# Altium PCB PCB1.PcbDoc (part 1 of 2) (continued)
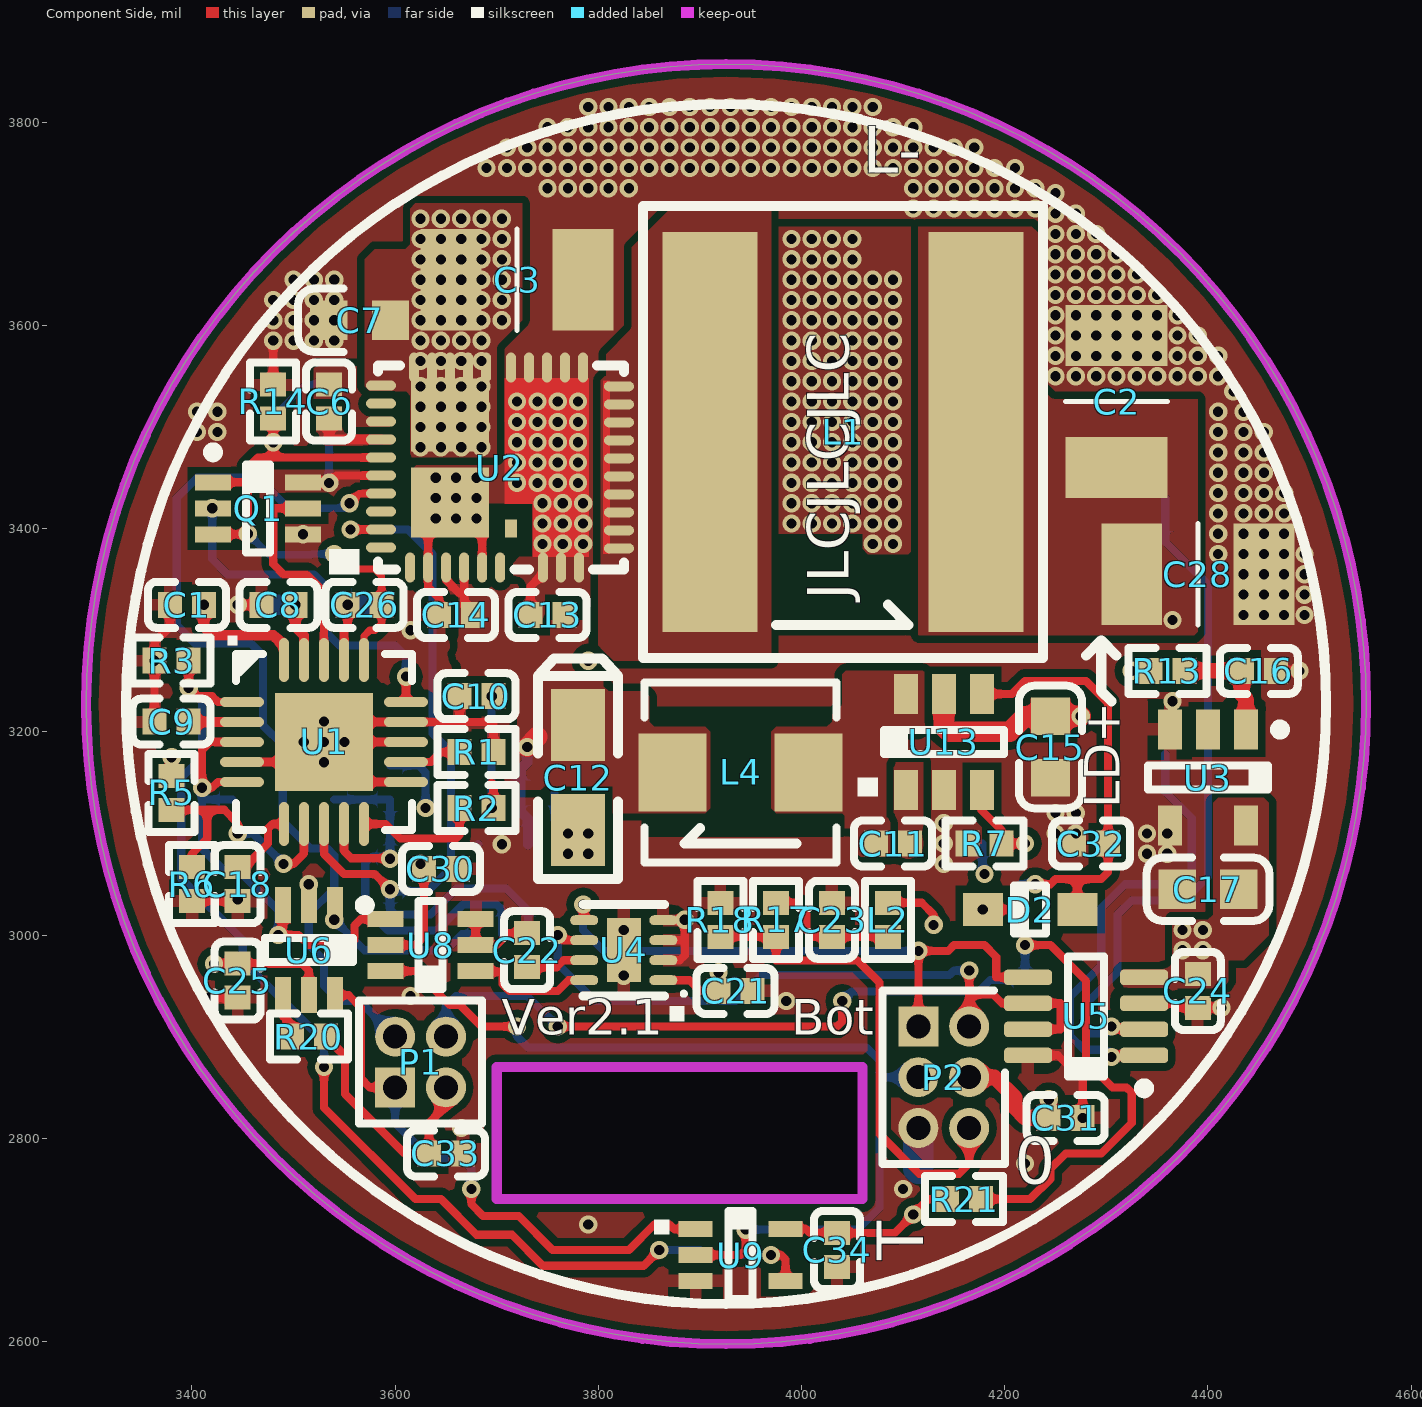
[diagram p0: Component Side view]
## Design rules (kind name [scope] priority, off if disabled: settings)
Clearance [All] p1: gap=7.6
DiffPairsRouting [All] p1: maxlimit=9 minlimit=7 mostfreqgap=8 toplayer_minwidth=7 toplayer_maxwidth=12 toplayer_prefwidth=10 bottomlayer_minwidth=7 bottomlayer_maxwidth=12 bottomlayer_prefwidth=10 maxuncoupledlength=500
PlaneClearance [All] p1: clearance=15
PlaneConnect [All] p1: planeconnectstyle=Direct reliefexpansion=20 reliefentries=4 reliefconductorwidth=10 reliefairgap=10
PolygonConnect PolygonConnect_2 [(InNet('GND') AND InComponent('C12'))] p1: connectstyle=NoConnect reliefconductorwidth=10 reliefentries=4 polygonreliefangle="90 Angle" airgapwidth=10
PolygonConnect PolygonConnect_1 [IsVia] p2: connectstyle=Direct reliefconductorwidth=10 reliefentries=4 polygonreliefangle="90 Angle" airgapwidth=10
PolygonConnect [All] p3: connectstyle=Direct reliefconductorwidth=12 reliefentries=4 polygonreliefangle="90 Angle" airgapwidth=10
RoomDefinition U_MonitorAndMCUConn [InComponentClass('U_MonitorAndMCUConn')] p1: confinementstyle=ConfineIn formatcopy=TRUE lockcomponents=FALSE outline 0,0 2000,0 2000,1000 0,1000
RoomDefinition U_ConstController [InComponentClass('U_ConstController')] p2: confinementstyle=ConfineIn formatcopy=TRUE lockcomponents=FALSE outline 0,0 2000,0 2000,1000 0,1000
RoomDefinition U_PowerAndInput [InComponentClass('U_PowerAndInput')] p3: confinementstyle=ConfineIn formatcopy=TRUE lockcomponents=FALSE outline 7065,1040 7560,1040 7560,2130 7065,2130
RoutingVias [All] p1: holewidth=28 width=50 viastyle="Through Hole" minholewidth=28 minwidth=50 maxholewidth=28 maxwidth=50
SolderMaskExpansion [All] p1: expansion=4
Width [All] p1: maxlimit=300 minlimit=7 preferedwidth=10
27 further rules are at their usual default settings.

## Classes and differential pairs
component class U_MonitorAndMCUConn: C23 C25 C31 C33 C34 L2 P1 P2 R17 R18 R20 U6 U9
component class U_ConstController: C1 C8 C9 C10 C18 C21 C22 C26 C27 C29 C30 D1 Q1 R1 R2 R3 R5 R6 R9 R10 R11 R15 U1 U4 U7 U8
component class U_PowerAndInput: C2 C3 C4 C5 C6 C7 C11 C12 C13 C14 C15 C16 C17 C19 C20 C24 C28 C32 D2 L1 L4 R4 R7 R8 R12 R13 R14 R16 R19 R21 U2 U3 U5 U13
differential pair VSEN: +VSEN_P -VSEN_N

## Components (designator, comment, footprint, x,y, rotation, side; value= is the part's Value field where it differs from the comment)
C1 "1.0uF (105) 10% 25V" 0402_C 3395,3325 r0 top
C2 "CC1210KKX5RBB476" 1210C 4310,3525 r270 top
C3 "CC1210KKX5RBB476" 1210C 3720,3645 r180 top
C4 "TCJU157M035" CAPMP7362X41N 3735,3520 r270 bottom locked
C5 "TCJU157M035" CAPMP7362X41N 4060,3545 r0 bottom
C6 "220nF (224) 10% 16V" 0402_C 3535,3525 r90 top
C7 "330nF (334) 10% 25V" 0603_C 3565,3605 r0 top
C8 "10uF (106) 20% 10V" 0402_C 3485,3325 r0 top
C9 "4.7uF (475) 20% 10V" 0402_C 3380,3210 r0 top
C10 "2.2nF (222) 5% 50V C0G" 0402_C 3680,3235 r180 top
C11 "100nF (104) 10% 16V" 0402_C 4090,3090 r0 top
C12 "10uF (106) ±10% 16V" CASE-A_3216 3780,3155 r90 top
C13 "100nF (104) 10% 16V" 0402_C 3750,3315 r0 top
C14 "100nF (104) 10% 16V" 0402_C 3660,3315 r0 top
C15 "1uF (105) 10% 50V" 0603_C 4245,3185 r90 top
C16 "1.0uF (105) 10% 25V" 0402_C 4450,3260 r180 top
C17 "10uF (106) 10% 10V" 0603_C 4400,3045 r0 top
C18 "1nF (102) 10% 50V" 0402_C 3445,3050 r90 top
C19 "0805 X5R" 0805C 4050,3705 r180 bottom
C20 "0805 X5R" 0805C 3915,3705 r180 bottom
C21 "100nF (104) 10% 16V" 0402_C 3935,2945 r180 top
C22 "10nF (103) 10% 50V" 0402_C 3730,2985 r270 top
C23 "1.0uF (105) 10% 25V" 0402_C 4030,3015 r270 top
C24 "100nF (104) 10% 16V" 0402_C 4390,2945 r90 top
C25 "100nF (104) 10% 16V" 0402_C 3445,2955 r90 top
C26 "100nF (104) 10% 16V" 0402_C 3570,3325 r180 top
C27 "100nF (104) 10% 16V" 0402_C 3740,3140 r0 bottom
C28 "CL32A107MPVNNNE" 1210C 4390,3355 r180 top
C29 "100nF (104) 10% 16V" 0402_C 3550,3455 r0 bottom
C30 "100nF (104) 10% 16V" 0402_C 3645,3065 r180 top
C31 "100nF (104) 10% 16V" 0402_C 4260,2820 r180 top
C32 "220nF (224) 10% 16V" 0402_C 4285,3090 r180 top
C33 "1.0uF (105) 10% 25V" 0402_C 3650,2785 r180 top
C34 "100nF (104) 10% 16V" 0402_C 4035,2690 r90 top
D1 "1N5819WS" SOD-323 3529.86,3325 r180 bottom
D2 "1N4148WS T4" SOD-323 4225,3025 r0 top
L1 "XAL1010-221MEB" XAL1010-XXXME 3910,3495 r0 top
L2 "500R 5%" 0402_L 4085,3015 r270 top
L4 "0420CDMCCDS-4R7MC" 0420CDMCCDS-***MC 3940,3160 r180 top
P1 "模拟插头" MHDR2X2 3600,2850 r0 top locked
P2 "数字插头" MHDR2X3 4115,2910 r270 top locked
Q1 "BSS138PS" SC70-6 3465,3420 r0 top
R1 "40.2KΩ (4022) ±1%" 0402_R 3680,3180 r180 top
R2 "31.6KΩ (3163) ±0.1%" 0402_R 3680,3125 r0 top
R3 "10KΩ (1002) ±1%" 0402_R 3380,3270 r0 top
R4 "RLP25FEGR001" 2512-VIRTUAL4WIRE 4295,3430 r270 bottom
R5 "18KΩ (1802) ±1%" 0402_R 3380,3140 r90 top
R6 "3.3KΩ (3301) ±1%" 0402_R 3400,3050 r270 top
R7 "2.43KΩ (2432) ±1%" 0402_R 4180,3090 r0 top
R8 "11KΩ (1102) ±1%" 0402_R 4194.65,3089.92 r180 bottom
R9 "200Ω (2000) ±0.5%" 0402_R 3595,3060 r270 bottom
R10 "510Ω (5100) ±1%" 0402_R 3595,3150 r270 bottom
R11 "510Ω (5100) ±1%" 0402_R 3540,3150 r90 bottom
R12 "560Ω (5600) ±1%" 0402_R 3535,3525 r270 bottom
R13 "10Ω (10R0) ±1%" 0402_R 4360,3260 r0 top
R14 "470Ω (4700) ±1%" 0402_R 3480,3525 r270 top
R15 "3.3KΩ (3301) ±1%" 0402_R 3440,3150 r270 bottom
R16 "200Ω (2000) ±1%" 0402_R 4195,3025 r0 bottom
R17 "2KΩ (2001) ±0.1%" 0402_R 3975,3015 r270 top
R18 "1KΩ (1001) ±0.1%" 0402_R 3920,3015 r270 top
R19 "10KΩ (1002) ±1%" 0402_R 4220.73,2939 r90 bottom
R20 "3.3KΩ (3301) ±1%" 0402_R 3515,2900 r180 top
R21 "0Ω (0R0) ±1%" 0402_R 4160,2740 r180 top
U1 "LT3741EUF" UF-05-08-1710A 3530,3190 r0 top locked
U2 "MP86956GMJ" TDA21490 3595,3345 r90 top
U3 "TPS7B6933DBVR" SOT95P245X110-5N 4400,3155 r270 top
U4 "AD5693RACPZ-RL7" LFCSP-8-10 3825,2985 r180 top
U5 "INA219AIDCNR" SOT23-8 4280,2920 r180 top
U6 "CH443K" SC70-6 3515,2985 r270 top locked
U7 "INA199A1DCKR" SC70-6 3705,3045 r270 bottom
U8 "CH443K" SC70-6 3635,2990 r180 top locked
U9 "SN74LVC1G08DCKR" DCK0005A_N 3940,2685 r0 top locked
U13 "SY8253B1ABC" SOT95P245X110-6N 4140,3190 r90 top locked

## Footprints (in the part's own frame and the unit in brackets; to place one, negate y for a bottom-side part, rotate by r counter-clockwise, add the part's x,y. Pads: shape width x height; smd on the part's side, far side on the other; paste and mask are expansions set on the pad)
0402_C [mm]
  rect 0.6x0.65 smd mask+0.051: 1(-0.425,0) 2(0.425,0)
  silkscreen extent -0.97,-0.58 0.97,0.58, body extent -0.48,-0.3 0.52,0.3, height 0.2
0402_L [mm]
  rect 0.6x0.65 smd mask+0.051: 1(-0.425,0) 2(0.425,0)
  silkscreen extent -0.97,-0.58 0.97,0.58, body extent -0.51,-0.26 0.54,0.26, height 0.36
0402_R [mm]
  rect 0.6x0.65 smd mask+0.051: 1(-0.425,0) 2(0.425,0)
  silkscreen extent -0.97,-0.58 0.97,0.58, body extent -0.57,-0.27 0.58,0.28, height 0.41
0420CDMCCDS-***MC [mm] "Sumida Molded inductor,0420 size"
  rect 1.7x1.95 smd: 1(-1.7,0) 2(1.7,0)
  silkscreen extent -2.4,-2.25 2.4,2.25, body extent -2.37,-2.23 2.38,2.22, height 2
0603_C [mm]
  rect 0.93x0.98 smd: 1(-0.77,0) 2(0.77,0)
  silkscreen extent -1.53,-0.79 -0.4,0.79, body extent -0.8,-0.15 0.8,0.65, height 0.3
0805C [mm]
  rect 0.9x1.25 smd: 1(-1,0) 2(1,0)
  silkscreen extent 0,-0.5 0,0.5, body extent -1,-0.6 1,0.67, height 0.57
1210C [mil]
  rect 60x100 smd: 1(-65,0) 2(65,0)
  silkscreen extent 0,-50 0,50, body extent -63,-49 63,49, height 98
2512-VIRTUAL4WIRE [mm] "2512 Shunt Resistor Virtual 4Wire Connection"
  rect 1.65x2.5 smd mask+0.05: 0(0,0.1) 1(6.401,0.1)
  rect 1.65x0.4 smd mask+0.05: 2(0,-1.6) 3(6.401,-1.6)
  silkscreen extent -1.09,-2.28 7.49,1.78, body extent 0,-1.78 6.48,1.4, height 1
CAPMP7362X41N [mm] "Molded Capacitor, 2-Leads, Body 7.30x6.20mm, IPC Medium Density"
  rect 2.35x3.2 smd: 1(-3.075,0) 2(3.075,0)
  silkscreen extent -3.75,-3.15 3.75,3.15, body extent -3.75,-3.15 3.75,3.15, height 4.1
CASE-A_3216 [mm]
  rect 1.8x1.35 smd: 1(1.31,0) 2(-1.31,0)
  silkscreen extent -2.54,-1 2.97,1, body extent -1.7,-0.84 1.7,0.84, height 1.71
DCK0005A_N [mm] "SOT23, 5-Leads, Body 2.15x1.4mm, Pitch 0.65mm, IPC Medium Density"
  rect 0.85x0.4 smd: 1(-1.125,0.65) 2(-1.125,0) 3(-1.125,-0.65) 4(1.125,-0.65) 5(1.125,0.65)
  silkscreen extent -0.3,-1.1 0.3,1.1, body extent -1.14,-1 1.14,1, height 1.1
LFCSP-8-10 [mm] "SON, 8-Leads, Body 1.95x1.95mm, Pitch 0.50mm, Thermal Pad 1.60x0.78mm, IPC Medium Density"
  oval 0.7x0.25 smd mask+0.02: 1(-0.99,0.75) 2(-0.99,0.25) 3(-0.99,-0.25) 4(-0.99,-0.75) 5(0.99,-0.75) 6(0.99,-0.25) 7(0.99,0.25) 8(0.99,0.75)
  rect 0.85x1.6 smd mask+0.02: 9(0,0)
  silkscreen extent -1.55,-1.14 1.02,1.14, body extent -1,-1 1,1, height 0.6
MHDR2X2 [mm] "Connector; Header; 2x2 Position"
  rect 1x1 hole 0.6: 1(0,0)
  round 1 hole 0.6: 2(0,1.27) 3(1.27,0) 4(1.27,1.27)
  silkscreen extent -0.9,-0.9 2.17,2.17
MHDR2X3 [mm] "Connector; Header; 3x2 Position"
  rect 1x1 hole 0.6: 1(0,0)
  round 1 hole 0.6: 2(0,1.27) 3(1.27,0) 4(1.27,1.27) 5(2.54,0) 6(2.54,1.27)
SC70-6 [mm] "SOT23, 6-Leads, Body 2.00x2.10mm, Pitch 0.65mm, IPC Medium Density"
  rect 0.9x0.4 smd mask+0.05: 1(-1.125,0.65) 2(-1.125,0) 3(-1.125,-0.65) 4(1.125,-0.65) 5(1.125,0) 6(1.125,0.65)
  silkscreen extent -1.25,-1.1 0.3,1.52, body extent -0.67,-1.1 0.67,1.1, height 1.1
SOD-323 [mm]
  rect 1x0.83 smd: 1(1.18,0) 2(-1.18,0)
  silkscreen extent -0.4,-0.6 0.4,0.6, body extent -1.35,-0.62 1.35,0.62, height 1.1
SOT23-8 [mm] "SOT, 8-Leads, Body 2.90x1.60mm, Pitch 0.65mm, IPC Low Density"
  rrect50% 1.2x0.39 smd mask+0.03: 1(-1.45,0.975) 2(-1.45,0.325) 3(-1.45,-0.325) 4(-1.45,-0.975) 5(1.45,-0.975) 6(1.45,-0.325) 7(1.45,0.325) 8(1.45,0.975)
  silkscreen extent -1.58,-1.5 0.45,1.92, body extent -0.85,-1.5 0.85,1.5, height 1.45
SOT95P245X110-5N [mm] "SOT23, 5-Leads, Body 2.90x2.45mm, Pitch 0.95mm, IPC Medium Density"
  rect 1x0.6 smd: 1(-1.2,0.95) 2(-1.2,0) 3(-1.2,-0.95) 4(1.2,-0.95) 5(1.2,0.95)
  silkscreen extent -1.32,-1.5 0.3,1.93, body extent -0.7,-1.5 0.7,1.5, height 1.1
SOT95P245X110-6N [mm] "SOT23, 6-Leads, Body 2.90x2.45mm, Pitch 0.95mm, IPC Medium Density"
  rect 1x0.6 smd: 1(-1.2,0.95) 2(-1.2,0) 3(-1.2,-0.95) 4(1.2,-0.95) 5(1.2,0) 6(1.2,0.95)
  silkscreen extent -0.3,-1.5 0.3,1.5, body extent -0.7,-1.5 0.7,1.5, height 1.1
TDA21490 [mm] "Optimos power stage 70A"
  oval 0.75x0.25 smd paste-100 mask+0.05: 1(0.423,-0.501) 2(0.423,-0.951) 3(0.423,-1.401) 4(0.423,-1.851) 5(0.423,-2.301) 6(0.423,-2.751) 7(0.423,-3.821) 8(0.423,-4.271) 9(0.423,-4.721) 20(5.423,-4.821) 21(5.423,-4.371) 22(5.423,-3.921) 23(5.423,-3.471) 24(5.423,-3.021) 25(5.423,-2.401) 26(5.423,-1.951) 27(5.423,-1.501) 28(5.423,-1.051) 29(5.423,-0.601)
  oval 0.25x0.75 smd paste-100 mask+0.05: 10(0.903,-5.721) 11(1.353,-5.721) 12(1.803,-5.721) 13(2.253,-5.721) 14(2.703,-5.721) 15(3.153,-5.721) 16(3.603,-5.721) 17(4.053,-5.721) 18(4.503,-5.721) 19(4.953,-5.721) 30(4.973,0.229) 31(4.523,0.229) 32(4.073,0.229) 33(3.623,0.229) 34(3.173,0.229) 35(2.723,0.229) 36(2.273,0.229) 37(1.823,0.229) 38(1.373,0.229) 39(0.923,0.229)
  rect 1.83x1.95 smd paste-100 mask+0.05: 29(4.238,-1.496)
  rect 1.75x1.95 smd paste-100 mask+0.05: 40(2.048,-1.496)
  rect 0.45x0.3 smd paste-100 mask+0.05: 41(1.398,-3.021)
  Component Side region: 5.093,-5.334 0.763,-5.334 0.763,-5.496 5.093,-5.496
  Component Side region: 2.023,-2.871 5.153,-2.871 5.153,-4.971 0.693,-4.971 0.693,-3.571 2.023,-3.571
  silkscreen extent 0.37,-5.85 5.47,0.3, body extent 0.38,-5.84 5.46,0.38, height 1
UF-05-08-1710A [mm] "QFN, 20-Leads, Body 4.00x4.00mm, Pitch 0.50mm, Thermal Pad 2.45x2.45mm, IPC Low Density"
  oval 1.1x0.25 smd mask+0.04: 1(-2.05,1) 2(-2.05,0.5) 3(-2.05,0) 4(-2.05,-0.5) 5(-2.05,-1) 11(2.05,-1) 12(2.05,-0.5) 13(2.05,0) 14(2.05,0.5) 15(2.05,1)
  oval 0.25x1.1 smd mask+0.04: 6(-1,-2.05) 7(-0.5,-2.05) 8(0,-2.05) 9(0.5,-2.05) 10(1,-2.05) 16(1,2.05) 17(0.5,2.05) 18(0,2.05) 19(-0.5,2.05) 20(-1,2.05)
  rect 2.45x2.45 smd mask+0.04: 21(0,0)
  silkscreen extent -2.2,-2.2 2.2,2.2, body extent -2.05,-2.05 2.05,2.05, height 0.8
XAL1010-XXXME [mm] "Coilcraft inductor 10x11mm"
  rect 2.38x10 smd mask+0.05: 1(0,0) 2(6.65,0)
  silkscreen extent -1.68,-5.65 8.32,5.65, body extent -1.65,-5.71 8.38,5.71, height 10

## Part data
C1 C16 C23 C33: library part "0402 1.0uF (105) 10% 25V", "贴片电容"
C2 C3 C28: library part Cap, "1210 MLCC X5R 16V 10%"
C4 C5: library part TCJU157M035R0100E, "35V 150uF Conductive Polymer Solid Capacitor 100mR ESR. 7362 Size"
C6 C32: library part "0402 220nF (224) 10% 16V", "贴片电容"
C7: library part "0603 330nF (334) 10% 25V", "贴片电容"
C8 C9: library part "0402 4.7uF (475) 20% 10V", "贴片电容"
C10: library part "0402 2.2nF (222) 10% 50V", "贴片电容"
C11 C13 C14 C21 C24 C25 C26 C27 C29 C30 C31 C34: library part "0402 100nF (104) 10% 16V", "贴片电容"
C12: library part "3216 10uF (106) 10% 16V", "钽电容"
C15: library part "0603 1uF (105) 10% 50V", "贴片电容"
C17: library part "0603 10uF (106) 10% 10V", "贴片电容"
C18: library part "0402 1nF (102) 10% 50V", "贴片电容"
C19 C20: library part Cap, "Capacitor"
C22: library part "0402 10nF (103) 10% 50V", "贴片电容"
D1 D2: library part "SOD-323 1N4148WS T4", "二极管"
L1: library part "Inductor Iron", "Coilcraft Inductor XAL1010 Series"
L2: library part "0402 27nH 5%", "贴片磁珠"
L4: library part "Inductor Iron", "Magnetic-Core Inductor"
P1: library part MHDR2X2, "Header, 2-Pin, Dual row"
P2: library part MHDR2X3, "Header, 3-Pin, Dual row"
Q1: library part 2N7002DW, "Dual N-Channel MOSFET 60V320mA SOT-363"
R1 R2: library part "0402 49.9KΩ (4992) 1%", "贴片电阻"
R3 R19: library part "0402 10KΩ (1002) 1%", "贴片电阻"
R4: library part shunt, "2512 1mΩ合金检流电阻 3W"
R5: library part "0402 18KΩ (1802) 1%", "贴片电阻"
R6 R15 R20: library part "0402 3.3KΩ (3301) 1%", "贴片电阻"
R7 R8 R21: library part "0402 0Ω (0R0) 1%", "贴片电阻"
R9 R16: library part "0402 200Ω (2000) 1%", "贴片电阻"
R10 R11: library part "0402 510Ω (5100) 1%", "贴片电阻"
R12: library part "0402 22KΩ (2202) 1%", "贴片电阻"
R13: library part "0402 10Ω (10R0) 1%", "贴片电阻"
R14: library part "0402 470Ω (4700) 1%", "贴片电阻"
R17: library part "0402 2KΩ (2001) 1%", "贴片电阻"
R18: library part "0402 1KΩ (1001) 1%", "贴片电阻"
U1: "Constant Voltage/Current Sync Buck controller(external switch)"
U2: library part MP86957, "MPS 70A INTELLI-PHASE SPS in 5x6mm QFN41"
U3: "150mA 40V max input Ultra low Iq LDO,fixed 3.3V output"
U4: "16bit I2C Nano DAC with 2.5V internal Ref in 2x2mm SON"
U5: "26V Dual Direction 12bit I2C Power Gauge SOT23-8"
U6 U8: library part NC7SB3157P6X, "Low-Voltage Analog Switch SPDT,1.8-5V Power"
U7: library part INA199A2DCKR, "50Khz 50V/V 26V Max High Side Current Op Amp."
U9: "Single 2-Input Positive-AND Gate, DCK0005A, LARGE T&R"
U13: library part SY8120, "3A 23V Input 500KHz Sync step down converter"

## Free pads (board coordinates)
  round 314.96 smd far side mask+1.97: 0(3925.79,3227.2)

## Via types
v1: diameter 18, hole 10, Component Side to Solder Side, tented both sides, 496 vias

## Nets (pads, with @x,y where several pads share a name; then routed paths per layer and width w, separated by ;. In a path a pad name is that pad's centre, name@x,y a point inside that pad or via, vN(x,y) a via of type N, cw(c..) or ccw(c..) an arc to the next point about the centre after c; other vN are vias at no path point)
3V3: C17.2 C21.2 C24.2 C25.2 C30.2 C31.2 C34.2 P2.4 R21.2 U3.5 U4.1 U5.4 U6.5 U8.5 U9.5 | length 598.3
  Component Side w8: v1(3421.73,2971.73) C25.2@3445,2971.73 3508.27,2971.73 3515,2965 U6.5@3515,2940.71 ; U8.5@3590.71,2990 3620,2990 3628.27,2998.27 C30.2@3628.27,3065 ; U4.1@3863.98,2955.47 3889.53,2955.47 3900,2945 C21.2@3918.27,2945 v1(3918.27,2963.27) ; U9.5@3984.29,2710.59 4004.41,2710.59 4008.27,2706.73 4091.73,2706.73 v1(4110,2725) 4125,2740 R21.2@4143.27,2740
  Component Side w15: P2.4@4165,2860 4190,2860 4210,2840 4210,2830 4220,2820 C31.2@4243.27,2820 v1(4243.27,2838.27)
  other v1: 4375,2985 4395,2985 4375,3005 4395,3005 3625,3070
3V3AUX: C12.1 C13.2 C14.2 C27.1 C29.1 L4.2 Q1.6 R8.2 R10.1 R12.2 U2.3 U2.4 U2.35 U7.3 | length 448.5
  Component Side w8: Q1.6@3509.29,3445.59 3534.41,3445.59 v1(3535,3445) 3542.2,3452.2 U2.35@3585.99,3452.2 ; U2.3@3650.16,3361.65 3650.16,3349.12 3663.28,3336 ; U2.4@3667.88,3361.65 3667.88,3323.86 C14.2@3676.73,3315
  Component Side w20: v1(3730,3185) 3740,3195
  Solder Side w8: v1(3535,3445) R12.2@3535,3508.27 ; R10.1@3595,3166.73 3623.27,3166.73 3630,3160 v1(3630,3125) ; R8.2@4177.92,3089.92 4177.92,3062.08 v1(4180,3060) v1@4183.27,3063.27
  Solder Side w10: v1(3730,3185) 3730,3170 3723.27,3163.27 C27.1@3723.27,3140 3723.27,3121.73 3730.59,3114.41 U7.3@3730.59,3089.29
AUXEN: C32.1 D2.1 R16.2 U13.4 | length 453.1
  Component Side w8: U13.4@4177.4,3237.24 4207.24,3237.24 4220,3250 4280,3250 4301.73,3228.27 C32.1@4301.73,3090 4301.73,3061.73 4295,3055 4271.46,3055 ; v1(4230,3050) 4245,3050 4250,3055 4271.46,3055 ; D2.1@4271.46,3025 4271.46,3055
  Solder Side w8: R16.2@4211.73,3025 4211.73,3046.73 4215,3050 v1(4230,3050)
AUXFB: R7.2 R8.1 U13.3 | length 84
  Component Side w8: U13.3@4177.4,3142.76 4177.4,3122.6 4196.73,3103.27 R7.2@4196.73,3090 v1(4220,3090)
AUXSW: C11.1 L4.1 U13.6
BOOT: C26.2 D1.2 U1.17 | length 78.8
  Component Side w8: U1.17@3549.68,3270.71 3549.68,3299.68 3553.27,3303.27 v1(3553.27,3325)
  Solder Side w20: v1(3553.27,3325) D1.2@3576.31,3325
COMP: R2.1 U1.10 | length 127.9
  Component Side w8: U1.10@3569.37,3109.29 3590.71,3109.29 3605,3095 3660,3095 3663.27,3098.27 R2.1@3663.27,3125
DACREF: C22.2 U4.7 | length 69.9
  Component Side w8: C22.2@3730,2968.27 3759.03,2968.27 3765.91,2975.16 U4.7@3786.02,2975.16 U4.7@3775,2975.16
DACVO: U4.8 U8.1 | length 126.3
  Component Side w8: U8.1@3679.29,2964.41 3680,2963.7 3705.6,2963.7 3705.6,2951.65 3712.4,2944.86 3747.6,2944.86 3747.74,2945 3760,2945 3770.47,2955.47 U4.8@3786.02,2955.47
DCDCEN: D2.2 P1.4 R16.1 R19.2 R21.1 | length 1163.6
  Component Side w8: v1(3760,2910) 4035,2910 4040,2915 v1(4040,2935) ; R21.1@4176.73,2740 4225,2740 4245,2760 4245,2770 4260,2785 4295,2785 4325,2815 4325,2845 4320,2850 4305.87,2850 4280,2875.87 4280,2955 4245,2990 v1(4220,2990) 4220,3020 4215,3025 D2.2@4178.54,3025
  Solder Side w8: P1.4@3650,2918.01 3650,2930 3660,2940 3730,2940 v1(3760,2910) ; v1(4040,2935) 4049.4,2944.4 4174.4,2944.4 4185.73,2955.73 4220,2955.73 v1(4220,2990)
  other v1: 4178.27,3025
GND: C1.1 C2.1 C3.1 C4.2 C5.2 C7.1 C8.1 C9.1 C10.2 C12.2 C13.1 C14.1 C15.1 C16.1 C17.1 C18.1 C19.1 C20.1 C21.1 C22.1 C23.1 C24.1 C25.1 C27.2 C28.1 C29.2 C30.1 C31.1 C32.2 C33.1 C34.1 P2.5 Q1.4 R1.1 R3.1 R6.2 R7.1 R11.2 R14.1 R15.1 R18.1 R19.1 U1.4 U1.11 U1.13 U1.14 U1.21 U2.2 U2.5 U2.7 U2.8 U2.9 U2.20 U2.21 U2.22 U2.23 U2.24 U2.40 U3.3 U3.4 U4.2 U4.3 U4.4 U4.9 U5.3 U5.8 U6.2 U7.1 U7.2 U8.2 U8.3 U9.3 U13.2 | length 1296.6
  Component Side w8: C9.1@3363.27,3210 v1(3363.27,3270) 3363.27,3288.27 3378.27,3303.27 C1.1@3378.27,3325 ; R6.2@3400,3033.27 C18.1@3445,3033.27 ; v1(3416.73,2938.27) C25.1@3445,2938.27 ; v1(3445,3325) C8.1@3468.27,3325 ; U1.4@3449.29,3170.32 U1.21@3510.32,3170.32 ; R14.1@3480,3541.73 v1(3480,3585) ; U6.2@3515,3029.29 U6.2@3515,3040 ; v1(3530,3190) U1.13@3610.71,3190 ; U1.21@3549.69,3209.69 U1.14@3610.71,3209.69 3659.69,3209.69 ; U1.21@3569.37,3150.63 U1.11@3610.71,3150.63 ; U2.40@3632.45,3404.18 U2.2@3632.45,3361.65 3632.45,3342.55 3643.27,3331.73 C14.1@3643.27,3315 ; C10.2@3663.27,3235 3663.27,3213.27 3659.69,3209.69 ; U8.3@3679.29,3015.59 U8.2@3679.29,2990 3700,2990 3711.73,3001.73 C22.1@3730,3001.73 ; U2.5@3685.59,3361.65 U2.40@3685.59,3393.93 ; R1.1@3696.73,3180 3696.73,3209.69 3659.69,3209.69 ; C13.1@3733.27,3315 3733.27,3343.27 3745.43,3355.43 U2.7@3745.43,3361.65 ; U4.2@3863.98,2975.16 3880.16,2975.16 3885,2980 v1(3885,3015) 3884.53,3014.53 U4.4@3863.98,3014.53 ; U4.3@3863.98,2994.84 3882.34,2994.84 ; U5.8@4227.91,2881.61 4252.19,2881.61 4276.73,2857.07 v1(4276.73,2819.9) ; U5.3@4342.09,2932.8 4367.2,2932.8 4371.73,2928.27 C24.1@4390,2928.27 v1(4413.27,2928.27) ; C16.1@4466.73,3260 v1(4490,3260)
  Component Side w40: C12.2@3780,3101.26 C12.2@3780,3103.43
  Solder Side w8: U7.1@3680.6,3088.1 U7.1@3681.79,3089.29 ; C27.2@3756.73,3140 3756.73,3113.27 v1(3770,3100)
  Solder Side w30: 4115,2770 P2.5@4115,2810
  other v1: 3790,2715 4100,2750 4220,2775 3665,2810 3985,2935 3615,2940 3825,2960 3825,3005 3445,3035 3515,3050 4140,3070 3770,3080 3790,3080 4340,3080 4360,3080 3705,3089.29 4140,3090 3790,3100 4250,3100 4270,3100 4340,3100 4360,3100 4140,3110 4250,3120 4270,3120 3530,3170 3510,3190 3550,3190 3530,3210 4365,3230 3615,3300 4435,3315 4455,3315 4475,3315 4495,3315 4435,3335 4455,3335 4475,3335 4495,3335 4435,3355 4455,3355 4475,3355 4495,3355 4410,3375 4435,3375 4455,3375 4475,3375 4495,3375 3745,3385 3765,3385 3785,3385 3509.29,3394.41 4410,3395 4435,3395 4455,3395 4475,3395 3745,3405 3765,3405 3785,3405 3640,3410 3660,3410 3680,3410 4410,3415 4435,3415 4455,3415 4475,3415 3745,3425 3765,3425 3785,3425 3640,3430 3660,3430 3680,3430 4410,3435 4435,3435 4455,3435 4475,3435 3720,3445 3740,3445 3760,3445 3780,3445 3640,3450 3660,3450 3680,3450 4410,3455 4435,3455 4455,3455 3720,3465 3740,3465 3760,3465 3780,3465 4410,3475 4435,3475 4455,3475 3720,3485 3740,3485 3760,3485 3780,3485 3405,3495 3425,3495 4410,3495 4435,3495 4455,3495 3720,3505 3740,3505 3760,3505 3780,3505 3405,3515 3425,3515 4410,3515 4435,3515 3720,3525 3740,3525 3760,3525 3780,3525 4425,3535 4250,3550 4270,3550 4290,3550 4310,3550 4330,3550 4350,3550 4370,3550 4390,3550 4410,3550 4250,3570 4270,3570 4290,3570 4310,3570 4330,3570 4350,3570 4370,3570 4390,3570 4410,3570 3500,3585 3520,3585 3540,3585 4250,3590 4270,3590 4290,3590 4310,3590 4330,3590 4350,3590 4370,3590 4390,3590 3480,3605 3500,3605 3520,3605 3540,3605 4250,3610 4270,3610 4290,3610 4310,3610 4330,3610 4350,3610 4370,3610 3480,3625 3500,3625 3520,3625 3540,3625 4250,3630 4270,3630 4290,3630 4310,3630 4330,3630 4350,3630 3500,3645 3520,3645 3540,3645 4250,3650 4270,3650 4290,3650 4310,3650 4330,3650 4250,3670 4270,3670 4290,3670 4310,3670 4250,3690 4270,3690 4290,3690 4250,3710 4270,3710 4110,3715 4130,3715 4150,3715 4170,3715 4190,3715 4210,3715 4230,3715 4250,3730 3750,3735 3770,3735 3790,3735 3810,3735 3830,3735 4110,3735 4130,3735 4150,3735 4170,3735 4190,3735 4210,3735 4230,3735 3690,3755 3710,3755 3730,3755 3750,3755 3770,3755 3790,3755 3810,3755 3830,3755 3850,3755 3870,3755 3890,3755 3910,3755 3930,3755 3950,3755 3970,3755 3990,3755 4010,3755 4030,3755 4050,3755 4070,3755 4090,3755 4110,3755 4130,3755 4150,3755 4170,3755 4190,3755 4210,3755 3710,3775 3730,3775 3750,3775 3770,3775 3790,3775 3810,3775 3830,3775 3850,3775 3870,3775 3890,3775 3910,3775 3930,3775 3950,3775 3970,3775 3990,3775 4010,3775 4030,3775 4050,3775 4070,3775 4090,3775 4110,3775 4130,3775 4150,3775 4170,3775 3750,3795 3770,3795 3790,3795 3810,3795 3830,3795 3850,3795 3870,3795 3890,3795 3910,3795 3930,3795 3950,3795 3970,3795 3990,3795 4010,3795 4030,3795 4050,3795 4070,3795 4090,3795 4110,3795 3790,3815 3810,3815 3830,3815 3850,3815 3870,3815 3890,3815 3910,3815 3930,3815 3950,3815 3970,3815 3990,3815 4010,3815 4030,3815 4050,3815 4070,3815
HG: Q1.2 U1.15 | length 352.6
  Component Side w8: v1@3610,3255 v1(3610.71,3254.29) U1.15@3610.71,3229.37
  Solder Side w8: v1(3420,3420) 3420,3370 3435,3355 3520,3355 3530,3345 3530,3300 3545,3285 3600,3285 3610.71,3274.29 v1(3610.71,3254.29)
IFB+: R9.2 U1.8 U2.38 U7.4 | length 814.9
  Component Side w8: U1.8@3530,3109.29 3530,3079.76 3549.79,3059.98 3577.39,3059.98 3577.47,3059.9 3578.27,3059.9 3578.39,3059.78 3579.1,3059.78 3579.27,3059.61 3579.87,3059.61 3580.09,3059.39 3580.58,3059.39 3580.85,3059.12 ; v1(3555.95,3399.05) U2.38@3585.99,3399.05 ; 3580.88,3059.12 v1(3595,3045)
  Solder Side w8: v1(3555.95,3399.05) 3612.78,3399.05 3636.83,3375 3636.83,3198.17 3655,3180 3655,3065.87 3632.4,3043.27 R9.2@3595,3043.27 3595,3025 3600,3020 3634.64,3020 3660.27,3045.63 3709.37,3045.63 3730.59,3024.41 U7.4@3730.59,3000.71
IFB-: R9.1 R10.2 R11.1 U1.9 U7.5 | length 438.2
  Component Side w8: U1.9@3549.68,3109.29 3549.68,3082.62 3556.71,3075.6 3594.4,3075.6 v1(3595,3075)
  Solder Side w8: R11.1@3540,3133.27 R10.2@3595,3133.27 R9.1@3595,3076.73 3576.73,3076.73 3570.6,3070.6 3570.6,3026.65 3592.86,3004.4 3641.11,3004.4 3666.73,3030.03 3699.97,3030.03 3705,3025 U7.5@3705,3000.71
ILEDO: U6.1 U7.6 | length 158.3
  Solder Side w8: v1(3540,3015) 3570,2985 3650,2985 3665.71,3000.71 U7.6@3679.41,3000.71
LEDDIM: R15.2 U1.3 U1.5 U6.3 U8.4 | length 494
  Component Side w8: U1.5@3449.29,3150.63 3425.63,3150.63 3420,3145 v1(3410,3145) 3410,3182.26 3417.74,3190 U1.3@3449.29,3190 ; U6.3@3489.41,3029.29 3489.41,3004.41 v1(3485,3000) 3505,3000 3515,2990 3555,2990 3560,2995 3560,3009.4 3566.19,3015.59 U8.4@3590.71,3015.59
  Solder Side w8: v1(3410,3145) 3410,3085 3435,3060 3449.13,3060 3485,3024.13 v1(3485,3000) ; 3411.73,3133.27 R15.2@3440,3133.27
LEDEN: P1.1 U6.6 U9.1 | length 563.2
  Component Side w8: U6.6@3540.59,2940.71 3554.29,2940.71 3566.2,2928.8 3566.2,2858.8 3575,2850 P1.1@3600,2850 P1.1@3600,2860 ; v1(3675,2750) 3675,2735 3686.6,2723.4 3721.6,2723.4 3755,2690 3830,2690 3855,2715 3870,2715 3874.41,2710.59 U9.1@3895.71,2710.59
  Solder Side w8: P1.1@3600,2850 3600,2815 3635,2780 3665,2780 3675,2770 v1(3675,2750)
LEDI: R20.2 U6.4 | length 44.4
  Component Side w8: U6.4@3489.41,2940.71 3489.41,2920.59 3498.27,2911.73 R20.2@3498.27,2900
LEDIFB: C33.2 P1.3 R20.1 | length 243.1
  Component Side w8: R20.1@3531.73,2900 3550.6,2881.13 3550.6,2843.62 3609.23,2785 C33.2@3633.27,2785 3633.27,2815 3650,2831.73 P1.3@3650,2850
LEDVF: P2.6 R17.2 R18.2 | length 481.9
  Component Side w8: R18.2@3920,2998.27 R17.2@3975,2998.27 3975,2974.86 4055.14,2974.86 4076.6,2953.4 4076.6,2804.16 4115.76,2765 4155,2765 4165,2775 P2.6@4165,2810
LG: Q1.5 U1.18 | length 212.7
  Component Side w8: 3479.97,3381.73 3479.97,3420 Q1.5@3509.29,3420 ; 3480,3381.71 3480,3365 3490,3355 3512.74,3355 3529.86,3337.89 3529.86,3270.85 U1.18@3530,3270.71
MBUCKEN: R3.2 U1.1 U9.4 | length 1120.9
  Component Side w8: R3.2@3396.73,3270 v1(3396.73,3243.27) 3405,3235 3420,3235 3425.63,3229.37 U1.1@3449.29,3229.37 ; v1(3530,2870) 3530,2830 3620,2740 3645,2740 3680,2705 3715,2705 3745.6,2674.4 3844.4,2674.4 v1(3860,2690) ; v1(3970,2685) 3980,2685 3984.29,2680.71 U9.4@3984.29,2659.41
  Solder Side w8: v1(3396.73,3243.27) 3410,3230 3410,3175 3389.4,3154.4 3389.4,3055.6 3450,2995 3450,2975 3530,2895 v1(3530,2870) ; v1(3860,2690) 3900,2690 3905,2685 v1(3970,2685)
NetC10_1: C10.1 R2.2 | length 135.7
  Component Side w8: 3695,3150 3696.73,3148.27 R2.2@3696.73,3125
  Solder Side w8: v1(3695,3125) v1(3695,3235)
NetC11_2: C11.2 U13.1
NetC23_2: C23.2 L2.2 R17.1 | length 132.6
  Component Side w8: R17.1@3975,3031.73 3993.27,3031.73 4005,3020 4005,3005 4011.73,2998.27 C23.2@4030,2998.27 L2.2@4085,2998.27
PWM: C26.1 Q1.1 Q1.3 R12.1 R14.2 U1.16 U2.34 | length 639.2
  Component Side w7: v1(3540,3375) 3554.9,3360.1 3579.9,3360.1 3586.73,3353.27 C26.1@3586.73,3325 3586.73,3306.73 3580,3300 3575,3300 3569.37,3294.37 U1.16@3569.37,3270.71
  Component Side w8: Q1.3@3420.71,3394.41 3449.41,3394.41 3455,3400 3455,3460 3464.92,3469.92 3480,3469.92 ; Q1.1@3420.71,3445.59 3454.41,3445.59 ; R14.2@3480,3508.27 v1(3480,3485) 3480,3469.92 ; U2.34@3585.99,3469.92 3480,3469.92
  Solder Side w7: v1(3455,3395) 3475.69,3374.31 3517.62,3374.31 3518.31,3375 v1(3540,3375) ; v1(3480,3485) 3480,3510 3511.73,3541.73 R12.1@3535,3541.73
PWMDIM: P2.3 U8.6 U9.2 | length 925.6
  Component Side w8: U8.6@3590.71,2964.41 3620.59,2964.41 3653.71,2931.29 3663.71,2931.29 3685,2910 v1(3720,2910) ; U9.2@3895.71,2685 3940,2685 3945,2690 v1(3945,2710)
  Solder Side w8: v1(3720,2910) 3720,2900 3730.6,2889.4 4064.08,2889.4 4076.6,2876.88 4076.6,2864.9 ; v1(3945,2710) 4055,2710 4076.6,2731.6 4076.6,2864.9 ; P2.3@4115,2860 4081.5,2860 4076.6,2864.9